# Altium PCB Spektrop2_Processor_Board_V1_draft_v4.PcbDoc (part 4 of 4)
Units mm, origin at the board's own origin, x right, y up, seen from the top; angles counter-clockwise.
Board outline 42 x 42 mm, 8 copper layers (TOP, L1-GND, L2, L3-1V8, L4-PWR, L5, L6-GND, BTM), stack 1.554 mm thick; 281 components, 241 nets, 1443 pads, 627 vias.
Unrouted connection lines stored in the file: 18.
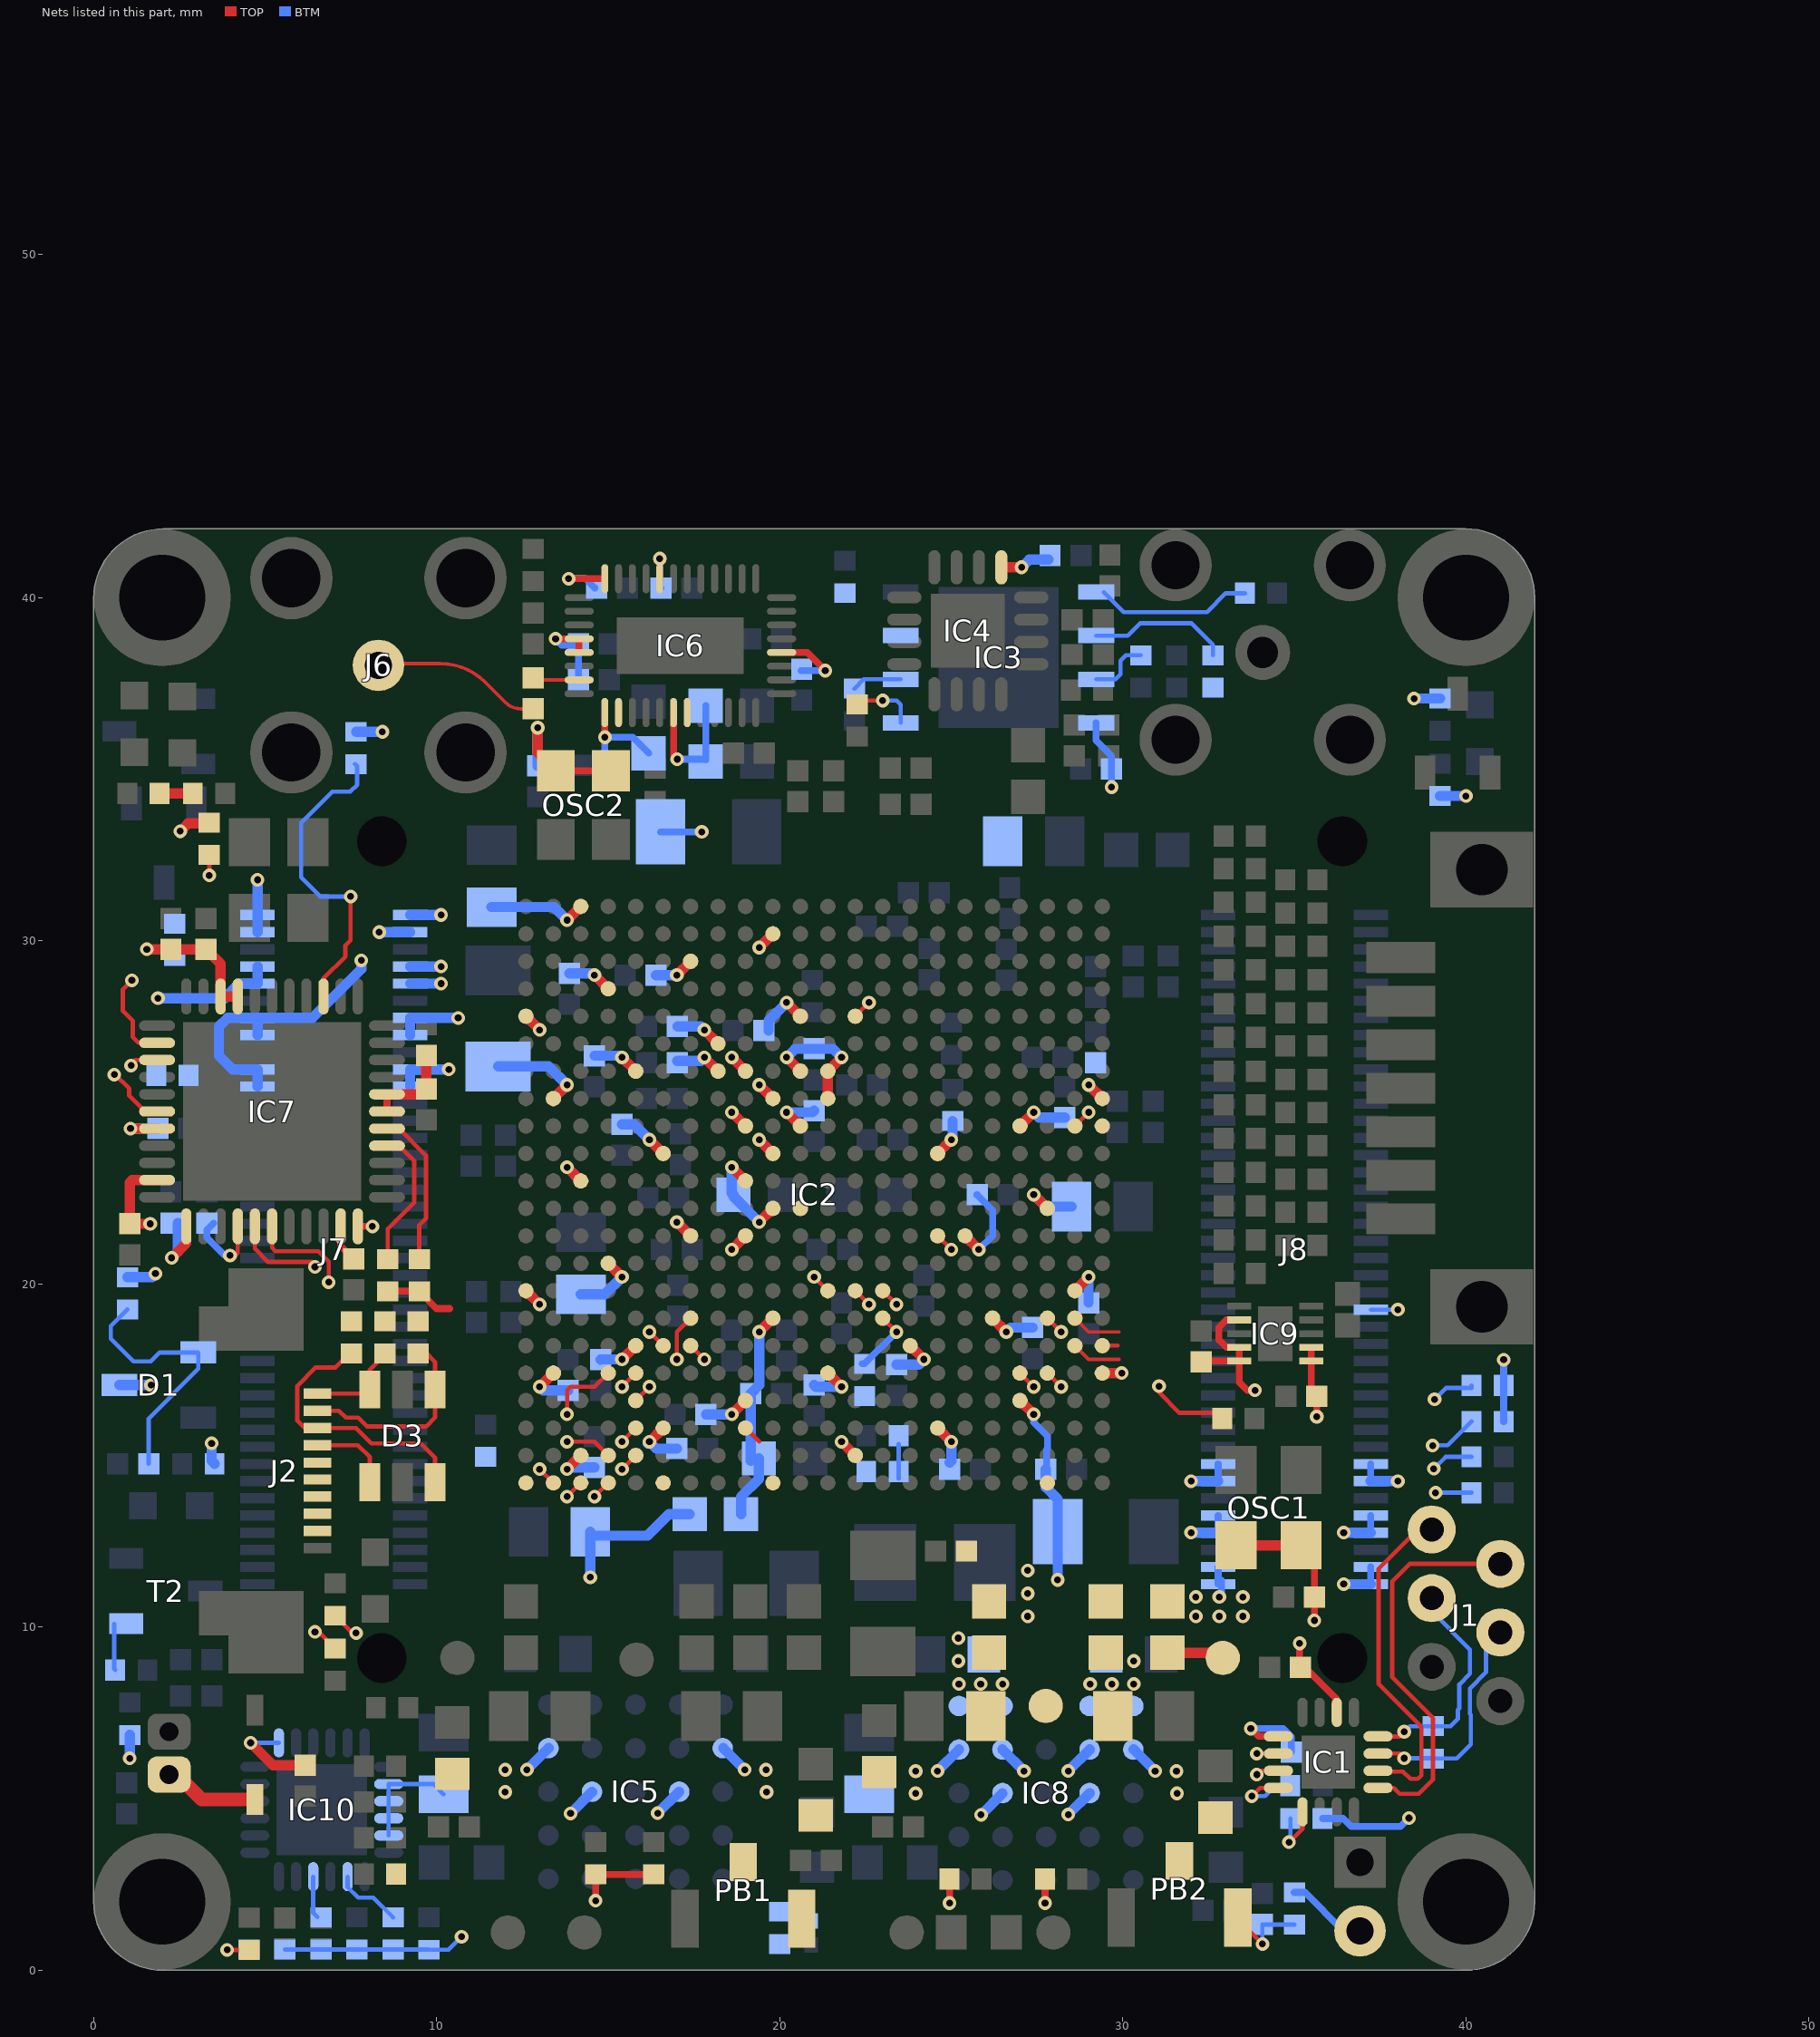
[diagram p10: the nets of this part, all layers, seen from the top]

## Via types
v1: diameter 0.4, hole 0.2, TOP to BTM, 627 vias

## Nets (pads, with @x,y where several pads share a name; then routed paths per layer and width w, separated by ;. In a path a pad name is that pad's centre, name@x,y a point inside that pad or via, vN(x,y) a via of type N, cw(c..) or ccw(c..) an arc to the next point about the centre after c; other vN are vias at no path point) (continued)
P1V8: C2.2 C26.1 C27.1 C28.1 C32.1 C40.1 C41.1 C42.1 C49.1 C50.1 C51.1 C52.1 C53.1 C54.1 C59.1 C60.1 C61.1 C62.1 C63.1 C64.1 C65.1 C66.1 C67.1 C68.1 C69.1 C70.1 C71.1 C74.1 C77.1 C83.1 C113.2 C115.2 C116.2 C117.2 C118.2 C119.2 C123.1 C125.2 C126.2 C127.2 C128.2 C129.2 D1.3 IC1.1 IC2.A3 IC2.A13 IC2.B10 IC2.B20 IC2.C7 IC2.C17 IC2.D4 IC2.D14 IC2.E1 IC2.E11 IC2.E21 IC2.F8 IC2.F18 IC2.G5 IC2.H2 IC2.H22 IC2.J19 IC2.K6 IC2.K14 IC2.K16 IC2.L3 IC2.L13 IC2.M14 IC2.M20 IC2.N7 IC2.N13 IC2.N17 IC2.P4 IC2.P12 IC2.P14 IC2.R1 IC2.R11 IC2.R13 IC2.R21 IC2.T11 IC2.T12 IC2.T14 IC2.T15 IC2.V22 IC3.8 IC4.13 IC6.4 IC6.16 IC6.20 IC6.29 IC6.35 IC7.21 IC7.26 IC7.32 IC7.39 IC7.40 IC9.1 IC9.2 J2.9 J3.2 L1.2 L4.1 L13.2 OSC1.1 OSC1.4 OSC2.1 OSC2.4 R1.2 R8.1 R11.2 R12.2 R23.2 R24.2 R25.1 R26.1 R46.1 R77.1 R79.2 R80.2 R81.1 R82.1 R83.1 R84.1 | length 101.8
  TOP w0.125: v1(3.975,20.826) 4.126,20.826 4.2,20.9 IC7.26@4.2,21.675 ; v1(6.45,9.86) 6.49,9.86 6.52,9.89 R46.1@7.04,9.37
  TOP w0.2: IC7.32@7.2,21.675 7.2,21.105 C117.2@7.58,20.725 ; IC7.39@8.55,25.025 IC7.40@8.55,25.525 ; R79.2@8.571,19.785 R83.1@9.491,19.785 9.497,19.785 10.003,19.279 10.374,19.279 ; OSC2.1@13.475,34.95 OSC2.4@15.075,34.95 OSC2.4@14.9,35.125 ; v1(13.844,40.55) IC6.20@14.9,40.55 ; v1(14.9,35.929) IC6.29@14.9,36.65 ; IC6.16@16.5,40.55 v1(16.5,41.135) ; IC6.4@20.05,38.4 20.797,38.4 v1(21.324,37.872) ; v1(33.726,7.043) 33.957,6.813 IC1.1@34.533,6.813 ; IC9.2@35.488,18.15 IC9.1@35.488,17.75 35.488,16.889 C123.1@35.647,16.729 v1(35.647,16.129) ; v1(35.58,10.192) C74.1@35.58,10.876 OSC1.1@35.58,11.992
  TOP w0.3: v1(1.65,21.75) C119.2@1.05,21.75 1.05,22.95 1.125,23.025 IC7.21@1.85,23.025 IC7.21@1.9,23.025 ; v1(2.525,33.191) 2.75,33.416 3.371,33.416 R84.1@3.371,33.445 ; IC7.40@8.55,25.525 C116.2@9.52,25.525 ; C116.2@9.542,25.546 C116.2@9.52,25.525 ; C115.2@9.697,26.528 9.697,25.546 9.675,25.525 C116.2@9.52,25.525 ; IC2.H22@12.599,19.8 v1(12.999,19.4) ; IC2.V22@12.599,27.8 v1(12.999,27.4) ; v1(12.944,36.206) 12.944,35.481 OSC2.1@13.475,34.95 ; v1(12.999,17) IC2.E21@13.399,17.4 ; IC2.R21@13.399,25.4 v1(13.799,25.8) ; v1(13.799,14.6) IC2.B20@14.199,15 ; v1(13.799,23.4) IC2.M20@14.199,23 ; IC2.J19@14.999,20.6 v1(15.399,20.2) ; v1(15.399,17.8) IC2.F18@15.799,18.2 ; v1(16.199,15.4) IC2.C17@16.599,15.8 ; v1(16.199,24.2) IC2.N17@16.599,23.8 ; v1(16.999,21.8) IC2.K16@17.399,21.4 ; v1(17.799,26.6) IC2.T15@18.199,26.2 ; v1(18.599,16.2) IC2.D14@18.999,16.6 ; v1(18.599,21) IC2.K14@18.999,21.4 ; v1(18.599,23.4) IC2.M14@18.999,23 ; v1(18.599,25) IC2.P14@18.999,24.6 ; v1(18.599,26.6) IC2.T14@18.999,26.2 ; v1(19.399,21.8) IC2.L13@19.799,22.2 ; v1(19.399,24.2) IC2.N13@19.799,23.8 ; v1(19.399,25.8) IC2.R13@19.799,25.4 ; v1(20.199,25) IC2.P12@20.599,24.6 ; v1(20.199,26.6) IC2.T12@20.599,26.2 ; IC2.E11@21.399,17.4 v1(21.799,17) ; IC2.R11@21.399,25.4 IC2.T11@21.399,26.2 v1(21.799,26.6) ; v1(21.799,15.4) IC2.B10@22.199,15 ; IC2.F8@23.799,18.2 v1(24.199,17.8) ; IC2.C7@24.599,15.8 v1(24.999,15.4) ; IC2.N7@24.599,23.8 v1(24.999,24.2) ; IC2.K6@25.399,21.4 v1(25.799,21) ; IC2.G5@26.199,19 v1(26.599,18.6) ; IC4.13@26.454,40.881 27.046,40.881 v1(27.047,40.883) ; IC2.D4@26.999,16.6 v1(27.399,16.2) ; IC2.P4@26.999,24.6 v1(27.399,25) ; v1(27.399,22.6) IC2.L3@27.799,22.2 ; IC2.H2@28.599,19.8 v1(28.999,20.2) ; v1(28.999,25.8) IC2.R1@29.399,25.4 ; IC2.E1@29.399,17.4 v1(29.965,17.4) ; OSC1.4@33.293,12.378 OSC1.1@35.193,12.378
  BTM w0.2: C118.2@3.5,21.775 3.3,21.575 3.3,21.35 v1@3.799,20.851 ; v1(13.844,40.55) 14.337,40.55 C125.2@14.606,40.281 ; C128.2@14.909,35.16 14.9,35.169 v1(14.9,35.929) 15.71,35.929 C127.2@16.175,35.464 ; v1@16.442,41.193 v1(16.5,41.135) 16.5,40.316 C126.2@16.539,40.277 ; C52.1@16.523,33.174 v1(17.726,33.174) ; C129.2@20.614,37.872 v1(21.324,37.872) ; C40.1@25.749,22.6 25.749,22.59 26.199,22.14 26.199,21.4 v1(25.799,21) ; v1(27.399,16.2) 27.399,15.965 27.799,15.565 27.799,15.189 27.782,15.172 27.782,14.631 C60.1@27.752,14.602 ; IC3.8@29.22,36.349 29.22,35.835 29.67,35.384 C77.1@29.67,35.002 v1(29.67,34.477) ; v1(33.726,7.043) 34.668,7.043 34.905,6.806 C2.2@34.905,6.356 ; R23.2@34.996,2.267 35.303,2.267 J3.2@36.419,1.151 ; R1.2@35.82,4.42 36.42,4.42 36.655,4.185 38.088,4.185 v1(38.336,4.433) ; R26.1@41.097,15.988 R25.1@41.097,17.035 v1(41.097,17.79)
  BTM w0.3: D1.3@0.75,17.05 v1(1.674,17.05) ; R24.2@0.983,20.197 0.983,20.2 1.7,20.2 v1(1.8,20.3) ; v1@2.525,33.135 v1(2.525,33.191) ; R80.2@7.651,36.088 v1(8.417,36.088) ; C66.1@11.789,26.335 13.263,26.335 v1(13.799,25.8) ; C113.2@12.944,35.092 v1(12.944,36.206) ; v1(12.999,17) v1@13.012,16.987 ; v1@13.024,16.975 v1@13.024,17 ; v1@13.099,16.9 C63.1@13.824,16.9 ; v1(13.799,14.6) 13.849,14.65 C65.1@14.599,14.65 ; C32.1@14.199,19.7 14.899,19.7 v1(15.399,20.2) ; v1(14.475,11.45) C26.1@14.475,12.663 ; C26.1@14.475,12.775 C26.1@14.475,12.663 ; C70.1@14.779,17.792 14.786,17.8 v1(15.399,17.8) ; C64.1@15.399,24.65 15.749,24.65 v1(16.199,24.2) ; v1@16.149,15.35 v1(16.199,15.4) 16.399,15.2 C71.1@16.999,15.2 ; C68.1@17.014,26.5 17.699,26.5 v1(17.799,26.6) ; L4.1@17.37,13.291 16.767,13.291 16.139,12.663 C26.1@14.475,12.663 ; C53.1@17.849,16.2 v1(18.599,16.2) ; v1(18.599,23.4) 18.599,22.65 L1.2@18.649,22.6 18.649,22.55 v1(19.399,21.8) ; v1(20.199,25) 20.949,25 C51.1@20.999,25.05 ; v1(20.199,26.6) 20.449,26.85 21.549,26.85 v1(21.799,26.6) ; C54.1@20.999,17.05 21.049,17 v1(21.799,17) ; C50.1@23.399,17.65 24.049,17.65 v1(24.199,17.8) ; C61.1@24.949,14.8 24.999,14.85 v1(24.999,15.4) ; v1@24.989,24.171 25.036,24.217 R8.1@25.036,24.75 ; v1(26.599,18.6) 26.726,18.726 C41.1@27.364,18.726 ; v1(27.047,40.883) 27.269,41.104 C83.1@27.825,41.104 ; v1(27.399,22.6) 27.749,22.25 C62.1@28.5,22.25 ; v1(27.399,25) 27.549,24.85 C42.1@28.3,24.85 ; C60.1@27.752,14.602 27.752,14.073 28.098,13.727 C69.1@28.098,12.784 v1(28.098,11.373) ; C27.1@28.999,19.45 v1(28.999,20.2) ; v1(38.485,37.057) R12.2@39.242,37.057
  other v1: 27.225,10.31 27.225,10.978 27.225,11.646
P1V8_EN: IC8.B2 IC10.14 R44.1 | length 2.9
  BTM w0.125: IC10.14@7.4,2.725 7.4,2.425 7.713,2.112 8.153,2.112 R44.1@8.725,1.54
  BTM w0.3: IC8.B2@26.49,6.43 v1(27.115,5.805)
P1V8_L: B7.1 C100.2 C101.2 IC8.A1 IC8.B1 L13.1
  other v1: 25.22,8.34 25.855,8.34 26.49,8.34 25.205,9.008 25.205,9.676
P3V3: C1.2 C120.2 C121.2 C122.2 C132.2 C133.2 C134.2 C135.2 IC1.14 IC6.24 IC6.25 IC7.8 IC7.9 IC7.18 IC7.23 IC9.7 IC9.9 IC9.10 J8.65 J8.66 J8.67 J8.68 J8.71 J8.72 J8.73 J8.74 J8.77 J8.78 J8.79 J8.80 L11.2 L12.2 R10.2 R22.2 R34.1 R35.1 R38.1 R39.1 R45.1 R58.2 R62.2 | length 31.6
  TOP w0.2: v1(13.464,38.8) IC6.24@14.15,38.8 14.15,38.5 ; v1(14.63,2.025) R35.1@14.63,2.79 R34.1@16.319,2.79 ; v1(24.945,1.955) R39.1@24.945,2.66 ; v1(27.73,1.955) R38.1@27.73,2.66 ; C122.2@32.275,17.725 32.3,17.75 IC9.10@33.388,17.75 ; IC9.7@33.388,18.95 33.019,18.95 32.795,18.725 32.795,18.358 32.811,18.358 33.019,18.15 IC9.9@33.388,18.15 IC9.10@33.388,17.75 ; v1(33.85,16.9) 33.625,16.9 33.388,17.137 IC9.10@33.388,17.75 ; v1(35.151,9.525) 35.151,8.981 36.233,7.898 IC1.14@36.233,7.513
  TOP w0.3: v1(1.075,24.525) IC7.18@1.85,24.525 ; v1(1.55,29.75) C120.2@2.25,29.75 C121.2@3.275,29.75 3.7,29.325 IC7.9@3.7,28.375 IC7.8@4.2,28.375 ; R62.2@1.925,34.295 R58.2@2.89,34.295 ; v1(2.275,20.758) 2.7,21.183 IC7.23@2.7,21.675
  BTM w0.2: v1(13.464,38.8) 13.647,38.617 C132.2@13.997,38.617 ; C132.2@13.997,38.649 C132.2@13.997,38.617 ; C133.2@14.134,37.61 C132.2@14.134,38.617 ; C132.2@14.134,38.649 14.102,38.617 C132.2@13.997,38.617 ; J8.80@32.775,11.25 J8.78@32.775,11.75 ; J8.74@32.775,12.75 J8.72@32.775,13.25 ; J8.68@32.775,14.25 J8.66@32.775,14.75 ; v1(32.81,10.875) 32.875,10.94 J8.80@32.875,11.353 ; J8.79@37.225,11.25 J8.77@37.225,11.75 ; J8.73@37.225,12.75 J8.71@37.225,13.25 ; J8.67@37.225,14.25 J8.65@37.225,14.75
  BTM w0.3: v1(1.05,6.175) R45.1@1.05,6.855 ; v1(1.075,24.525) C134.2@1.875,24.525 ; v1(2.275,20.758) 2.45,20.933 C135.2@2.45,21.775 ; v1(3.439,15.355) 3.439,14.845 R22.2@3.525,14.759 ; v1(31.985,12.75) J8.74@32.775,12.75 ; v1(31.985,14.25) J8.68@32.775,14.25 ; v1(36.435,11.25) J8.79@37.225,11.25 ; v1(36.435,12.75) J8.73@37.225,12.75 ; J8.67@37.225,14.25 v1(38.015,14.25) ; R10.2@39.242,34.217 v1(39.999,34.217)
  other v1: 32.125,10.31 32.81,10.31 33.495,10.31 32.125,10.875 33.495,10.875
P3V3_EN: IC8.D2 IC10.16 R42.1 | length 2.1
  BTM w0.125: IC10.16@6.4,2.725 6.4,1.67 R42.1@6.525,1.545
  BTM w0.3: v1(28.405,5.805) IC8.D2@29.03,6.43
P3V3_L: B5.1 C96.2 C97.2 IC8.D1 IC8.E1 L11.1 L12.1 | length 1.7
  TOP w0.3: L12.1@31.3,9.25 32.67,9.25 B5.1@32.91,9.01
  other v1: 29.045,8.34 29.68,8.34 30.315,8.34 30.315,9.008
P12V0: C84.2 C85.2 C86.2 C93.2 C94.2 C95.2 C102.2 D2.1 IC5.A2 IC5.B3 IC5.D3 IC5.E2 IC8.A2 IC8.B3 IC8.D3 IC8.E2 IC10.1 IC10.8 IC10.9 IC10.10 IC10.11 J5.1 R41.2 R42.2 R43.2 R44.2 R47.1 R55.1 R57.1 R60.2 | length 22.7
  TOP w0.125: v1(3.89,0.59) R57.1@4.535,0.59 ; R60.2@7.04,10.33 7.545,9.825 v1(7.65,9.825)
  TOP w0.3: v1(4.575,6.625) 5.225,5.975 C102.2@6.164,5.975
  TOP w0.4: J5.1@2.2,5.7 2.425,5.7 3.15,4.975 D2.1@4.7,4.975
  BTM w0.125: v1(3.89,0.59) v1@3.93,0.55 ; v1(4.575,6.625) IC10.1@5.4,6.625 ; R41.2@5.575,0.6 R42.2@6.625,0.6 R43.2@7.675,0.6 R44.2@8.725,0.6 9.77,0.6 R55.1@9.775,0.595 10.345,0.595 v1(10.725,0.975) ; v1(7.65,9.825) v1@7.7,9.776 ; IC10.11@8.6,3.925 IC10.8@8.6,5.425 9.9,5.425 C84.2@10.2,5.125
  BTM w0.3: v1(12.63,5.845) IC5.A2@13.255,6.47 ; v1(13.9,4.567) IC5.B3@14.525,5.192 ; v1(16.44,4.575) IC5.D3@17.065,5.2 ; IC5.E2@18.35,6.47 v1(18.975,5.845) ; v1(24.595,5.805) IC8.A2@25.22,6.43 ; v1(25.865,4.527) IC8.B3@26.49,5.152 ; v1(28.405,4.535) IC8.D3@29.03,5.16 ; IC8.E2@30.315,6.43 v1(30.94,5.805)
  other v1: 23.959,5.152 31.576,5.152 11.994,5.192 19.611,5.192 23.959,5.8 31.561,5.8 11.994,5.84 19.596,5.84
Power_Good: C75.1 D1.1 IC2.B18 R24.1 R56.2 R59.2 T2.1 | length 9.8
  TOP w0.125: v1(15.399,14.6) IC2.B18@15.799,15
  BTM w0.125: T2.1@0.6,10.096 0.6,8.78 R59.2@0.63,8.75 ; R24.1@0.983,19.257 0.5,18.774 0.5,18.4 1.162,17.738 1.666,17.738 1.928,18 D1.1@3.05,18 3.05,17.526 1.604,16.08 C75.1@1.604,14.759
PROGRAM_B: C3.2 IC2.V10 PB1.1 PB1.3 R11.1 | length 0.6
  TOP w0.125: IC2.V10@22.199,27.8 v1(22.599,28.2)
PS_CLK: IC2.F16 R14.1 | length 3
  TOP w0.125: IC2.F16@17.399,18.2 v1(17.799,17.8) ; v1(31.053,17.019) 31.053,16.836 31.649,16.241 32.898,16.241 R14.1@32.898,16.082
PS_MIO7_VMODE0: IC2.D18 R25.2 R29.1 | length 2.9
  TOP w0.125: IC2.D18@15.799,16.6 v1(16.199,17)
  BTM w0.125: v1(39.083,16.635) 39.414,16.966 40.157,16.966 R25.2@40.157,17.035 ; v1(39.114,13.915) R29.1@40.157,13.915
PS_MIO8_VMODE1: IC2.E18 R26.2 R28.1 | length 3.2
  TOP w0.125: v1(15.399,17) IC2.E18@15.799,17.4
  BTM w0.125: v1@38.92,15.191 v1@38.928,15.183 ; v1@39.02,15.295 39.463,15.295 R26.2@40.157,15.988 ; v1(39.059,14.613) 39.407,14.96 R28.1@40.157,14.96
  other v1: 39.028,15.287
PS_SRST_B: C76.1 IC2.C14 PB2.1 PB2.3 R23.1 | length 3.1
  TOP w0.125: IC2.C14@18.999,15.8 19.399,15.4 ; PB2.1@33.35,1.479 v1(34.066,0.763)
  BTM w0.125: v1(34.066,0.763) C76.1@34.066,1.335 34.075,1.327 R23.1@34.996,1.327
PUDC_B: IC2.K7 R77.2 R78.1 | length 1.6
  TOP w0.125: IC2.K7@24.599,21.4 v1(24.999,21)
  BTM w0.125: R77.2@23.461,14.317 R78.1@23.461,15.34
QSPI_CLK_BOOT_MODE4: IC2.A19 R20.1 R30.1 | length 0.6
  TOP w0.125: v1(14.599,13.8) IC2.A19@14.999,14.2
QSPI_CLK_BOOT_MODE4_R: IC3.6 R30.2 | length 4.1
  BTM w0.125: IC3.6@29.22,38.889 30.139,38.889 30.5,39.25 32,39.25 32.625,38.625 R30.2@32.625,38.317
QSPI_DQ0_BOOT_MODE3: IC2.A21 IC3.5 R16.1 | length 5.1
  TOP w0.125: v1(12.999,14.6) IC2.A21@13.399,14.2
  BTM w0.125: IC3.5@29.442,40.159 30.026,39.575 32.45,39.575 33,40.125 R16.1@33.555,40.125
QSPI_DQ1_BOOT_MODE1: IC2.F17 IC3.2 R17.1 | length 2
  TOP w0.125: v1(16.199,18.6) IC2.F17@16.599,18.2
  BTM w0.125: R17.1@22.17,37.345 22.445,37.619 IC3.2@23.52,37.619
QSPI_DQ2_BOOT_MODE2: IC2.E19 IC3.3 R18.1 | length 2.1
  TOP w0.125: v1@13.799,16.225 13.799,16.65 13.799,16.9 13.899,17 14.599,17 IC2.E19@14.999,17.4
  other v1: 13.799,16.2
QSPI_DQ3_BOOT_MODE0: IC2.A20 IC3.7 R21.1 | length 2.4
  TOP w0.125: v1(13.799,13.8) IC2.A20@14.199,14.2
  BTM w0.125: IC3.7@29.22,37.619 29.789,37.619 29.929,37.76 29.929,38.163 30.083,38.317 R21.1@30.518,38.317
QSPI_nCS: IC2.A22 IC3.1 R15.1 | length 1.9
  TOP w0.125: R15.1@22.256,36.888 22.368,37 v1(23,37)
  BTM w0.125: v1(23,37) 23.403,37 23.52,36.883 IC3.1@23.52,36.349
RS485_RX: IC1.2 IC2.E4 | length 1.2
  TOP w0.125: IC2.E4@26.999,17.4 v1(27.399,17) ; v1(33.9,6.313) IC1.2@34.533,6.313
RS485_RX_A: IC1.12 J1.3 R2.2 | length 6.1
  TOP w0.125: IC1.12@37.433,6.813 38.06,6.813 v1(38.197,6.95)
  BTM w0.125: 38.356,7.108 R2.2@39.038,7.108 39.551,7.108 39.763,7.319 39.763,7.587 39.806,7.63 39.806,8.328 40.116,8.638 40.116,9.343 J1.3@39,10.459
RS485_RX_B: IC1.11 J1.4 R2.1 | length 6
  TOP w0.125: IC1.11@37.433,6.313 38.06,6.313 v1(38.197,6.175)
  BTM w0.125: v1(38.197,6.175) R2.1@39.031,6.175 ; R2.1@39.038,6.168 39.732,6.168 40.142,6.578 40.142,7.444 40.112,7.473 40.112,8.208 40.582,8.678 40.582,8.923 ; J1.4@40.582,9.422 40.582,8.923 ; 40.59,8.931 40.582,8.923
RS485_TX: IC1.3 IC2.E3 | length 1.2
  TOP w0.125: IC2.E3@27.799,17.4 v1(28.199,17) ; v1(33.9,5.7) 34.012,5.813 IC1.3@34.533,5.813
  BTM w0.125: v1@33.898,5.698 v1(33.9,5.7)
RS485_TX_Y: IC1.9 J1.2 | length 11.5
  TOP w0.125: IC1.9@37.433,5.313 37.891,5.313 38.065,5.139 38.621,5.139 39.038,5.556 39.038,7.345 37.849,8.535 37.849,11.328 38.361,11.841 J1.2@41,11.841
RS485_TX_Z: IC1.10 J1.1 | length 9.6
  TOP w0.125: IC1.10@37.433,5.813 37.433,5.788 38.164,5.788 38.38,5.573 38.595,5.573 38.697,5.674 38.697,7.092 37.452,8.337 37.452,11.699 J1.1@38.594,12.841
SDO0: C111.2 J6.1 | length 5
  TOP w0.1: J6.1@8.3,38.025 cw(c8.424,37.901) 8.424,38.076 10.104,38.076 cw(c10.104,36.231) 11.409,37.536 11.994,36.951 ccw(c12.459,37.416) 12.459,36.758 C111.2@12.812,36.758
SDO0_C: C111.1 IC6.27 | length 1.3
  TOP w0.1: C111.1@12.875,37.6 IC6.27@14.15,37.6
SI5340_I2C_SEL: IC7.38 R83.2 | length 4.6
  TOP w0.125: IC7.38@8.55,24.525 8.902,24.525 9.685,23.742 9.685,21.906 9.491,21.712 R83.2@9.491,20.725
SI5340_IN_SEL0: IC7.3 R80.1 | length 9.2
  TOP w0.125: IC7.3@6.7,28.375 6.7,28.898 7.34,29.537 7.338,29.539 7.338,29.861 7.34,29.863 7.34,29.873 7.485,30.018 7.485,31.289 v1(7.49,31.289)
  BTM w0.125: v1(7.49,31.289) 6.607,31.289 6.049,31.847 6.049,33.438 6.953,34.342 7.479,34.342 7.681,34.544 7.681,35.084 R80.1@7.614,35.151
SI5340_IN_SEL1: IC7.37 R79.1 | length 4.2
  TOP w0.125: IC7.37@8.55,24.025 8.902,24.025 9.343,23.584 9.343,22.374 8.571,21.601 R79.1@8.571,20.725
SI5340_LOS_XAXBb: IC2.F2 IC7.28 | length 4.5
  TOP w0.1: IC2.F2@28.599,18.2 28.999,17.8 29.88,17.8
  TOP w0.125: IC7.28@5.2,21.675 5.2,21.05 5.3,20.95 6.543,20.95 6.85,20.643 v1(6.85,20.05)
SI5340_nINTR: IC2.G3 IC7.33 | length 1
  TOP w0.125: IC2.G3@27.799,19 v1(28.199,18.6)
  TOP w0.2: IC7.33@7.7,21.675 v1(8.127,21.675)
Si5340_nLOL: IC2.G2 IC7.27 | length 4.1
  TOP w0.1: IC2.G2@28.599,19 28.999,18.6 29.88,18.6
  TOP w0.125: IC7.27@4.7,21.675 4.7,21.025 5.087,20.638 6.358,20.638 6.475,20.52 v1(6.45,20.495)
SI5340_nRST: IC2.F1 IC7.17 R84.2 | length 2.9
  TOP w0.125: v1(0.6,26.1) 0.623,26.1 1.035,25.688 1.035,25.487 1.498,25.025 IC7.17@1.85,25.025 ; v1(3.371,31.905) R84.2@3.371,32.505 ; IC2.F1@29.399,18.2 29.849,18.2
SI5340_SCL: IC2.P1 IC7.14 R81.2 | length 0.9
  TOP w0.125: v1(1.089,26.363) 1.089,26.406 1.208,26.525 IC7.14@1.85,26.525
SI5340_SDA: IC2.P2 IC7.13 R82.2 | length 3.2
  TOP w0.125: v1(1.114,28.846) 0.85,28.583 0.85,27.956 1.137,27.668 1.137,27.198 1.31,27.025 IC7.13@1.85,27.025 ; IC2.P2@28.599,24.6 v1(28.999,25)
TCK: D3.1 J2.2 R6.1 | length 5.7
  TOP w0.125: J2.2@6.525,16.3 7.15,16.3 7.35,16.1 7.715,16.1 7.972,15.843 9.693,15.843 9.95,16.1 D3.1@9.95,16.92 9.95,17.725 R6.1@9.675,18
TCK_R: IC2.H11 R6.2 | length 0.6
  TOP w0.125: v1(20.999,20.2) IC2.H11@21.399,19.8
TDI: D3.6 J2.3 R4.1 | length 8.2
  TOP w0.125: R4.1@7.54,18.06 7.045,17.565 6.475,17.565 5.937,17.028 5.937,16.013 6.15,15.8 J2.3@6.525,15.8 7.65,15.8 8.097,15.353 9.531,15.353 9.95,14.934 D3.6@9.95,14.22
TDI_R: IC2.H9 R4.2 | length 0.6
  TOP w0.125: IC2.H9@22.999,19.8 v1(23.399,19.4)
TDO: D3.4 J2.4 R5.1 | length 2.4
  TOP w0.125: J2.4@6.525,15.3 7.7,15.3 8.05,14.95 D3.4@8.05,14.22
TDO_R: IC2.G9 R5.2 | length 2
  TOP w0.125: IC2.G9@22.999,19 v1(23.399,18.6)
  BTM w0.2: R5.2@22.399,17.67 22.469,17.67 v1(23.399,18.6)
TMS: D3.3 J2.1 R7.1 | length 2.9
  TOP w0.125: J2.1@6.525,16.8 7.93,16.8 D3.3@8.05,16.92 8.05,17.506 8.344,17.8 8.508,17.8 R7.1@8.608,17.9
TMS_R: IC2.H10 R7.2 | length 0.6
  TOP w0.125: IC2.H10@22.199,19.8 v1(22.599,19.4)
UART0_RX: IC2.G16 J2.5 | length 1.4
  TOP w0.125: v1(16.999,17.8) 16.999,18.6 IC2.G16@17.399,19
UART0_TX: IC2.B19 J2.6 | length 1.4
  TOP w0.125: v1(13.799,15.4) 14.599,15.4 IC2.B19@14.999,15
UART1_RX: IC2.A17 J2.8
UART1_TX: IC2.C18 J2.7 | length 0.6
  TOP w0.125: v1(15.399,15.4) IC2.C18@15.799,15.8
UART_FPGA_nRE: IC1.4 R3.2 | length 2.1
  TOP w0.125: v1(33.757,5.07) 33.999,5.313 IC1.4@34.533,5.313
  BTM w0.125: v1(33.757,5.07) 34.146,5.07 34.449,5.372 R3.2@34.881,5.372
UART_FPGA_TX: IC1.5 R1.1 | length 1.8
  TOP w0.125: v1(34.838,3.728) 35.233,4.124 IC1.5@35.233,4.613
  BTM w0.125: v1(34.838,3.728) 34.88,3.77 R1.1@34.88,4.42
VCCO_13: C29.1 C30.1 C31.1 C43.1 C44.1 C45.1 IC2.AA13 IC2.AB20 IC2.T18 IC2.U15 IC2.V12 IC2.W19 IC2.Y16 J7.1 J7.2 J7.3 J7.4 J7.7 J7.8 J7.9 J7.10 J7.13 J7.14 J7.15 J7.16 J7.19 J7.20 J7.21 J7.22 | length 30.8
  TOP w0.3: v1(13.799,30.6) IC2.AB20@14.199,31 ; v1(14.599,29) IC2.W19@14.999,28.6 ; v1(15.399,26.6) IC2.T18@15.799,26.2 ; v1(16.999,29) IC2.Y16@17.399,29.4 ; v1(17.799,27.4) IC2.U15@18.199,27 ; v1(19.399,29.8) IC2.AA13@19.799,30.2 ; v1(20.199,28.2) IC2.V12@20.599,27.8
  BTM w0.125: v1@16.99,28.991 v1(16.999,29)
  BTM w0.3: v1(1.875,28.325) 3.811,28.325 4.236,28.75 J7.10@4.775,28.75 J7.8@4.775,29.25 ; J7.22@4.775,25.75 J7.20@4.775,26.25 4.05,26.25 3.65,26.65 3.65,27.5 3.9,27.75 J7.14@4.775,27.75 ; J7.16@4.775,27.25 J7.14@4.775,27.75 ; J7.4@4.775,30.25 J7.2@4.775,30.75 v1(4.775,31.775) ; v1(7.8,29.425) 7.8,29.175 6.375,27.75 J7.14@4.775,27.75 ; v1(8.325,30.25) J7.3@9.225,30.25 ; J7.21@9.225,25.75 J7.19@9.225,26.25 v1(10.35,26.25) ; J7.15@9.225,27.25 J7.13@9.225,27.75 v1(10.625,27.75) ; J7.9@9.225,28.75 v1(10.125,28.75) ; J7.7@9.225,29.25 v1(10.125,29.25) ; J7.1@9.225,30.75 v1(10.125,30.75) ; C29.1@11.598,30.982 13.417,30.982 v1(13.799,30.6) ; C43.1@13.869,29.05 14.549,29.05 v1(14.599,29) ; C45.1@14.599,26.65 15.349,26.65 v1(15.399,26.6) ; C31.1@16.386,28.991 v1@16.99,28.991 ; C30.1@17.024,27.5 17.699,27.5 v1(17.799,27.4) ; C44.1@19.674,27.385 19.674,27.674 v1(20.199,28.2)
VCCPLL: C72.1 C73.1 IC2.G13 L4.2 | length 6.3
  TOP w0.3: v1(19.399,18.6) IC2.G13@19.799,19
  BTM w0.3: L4.2@18.87,13.291 18.87,13.795 19.389,14.314 C73.1@19.389,14.912 ; C73.1@19.149,14.85 C72.1@19.149,16.8 19.399,17.05 v1(19.399,18.6)
VCO_FILT: C130.2 C131.2 IC6.30 IC6.34 | length 3.8
  TOP w0.2: IC6.34@16.9,36.65 16.9,35.402 17.007,35.295 v1(17.007,35.288)
  BTM w0.2: v1(17.007,35.288) 17.817,35.288 17.837,35.268 C130.2@17.837,36.851
ZYNQ_ADC: IC2.L12 J8.47 | length 0.8
  BTM w0.125: J8.47@37.225,19.25 v1@38.053,19.25
  other v1: 38.015,19.25
pads on no net: D1.2 IC1.7 IC1.13 IC1.16 IC1.17 IC2.A9 IC2.A10 IC2.A11 IC2.A12 IC2.A14 IC2.A15 IC2.A16 IC2.AA11 IC2.AA12 IC2.AA14 IC2.AA15 IC2.AA16 IC2.AA17 IC2.AA19 IC2.AA20 IC2.AA21 IC2.AA22 IC2.AB11 IC2.AB12 IC2.AB13 IC2.AB14 IC2.AB16 IC2.AB17 IC2.AB18 IC2.AB19 IC2.AB21 IC2.AB22 IC2.B9 IC2.B11 IC2.B12 IC2.B13 IC2.B14 IC2.B16 IC2.B17 IC2.B21 IC2.B22 IC2.C9 IC2.C10 IC2.C11 IC2.C13 IC2.C15 IC2.C16 IC2.C19 IC2.C20 IC2.C21 IC2.D10 IC2.D11 IC2.D12 IC2.D13 IC2.D15 IC2.D16 IC2.D17 IC2.D20 IC2.D21 IC2.D22 IC2.E9 IC2.E10 IC2.E12 IC2.E13 IC2.E14 IC2.E15 IC2.E17 IC2.E20 IC2.E22 IC2.F4 IC2.F9 IC2.F10 IC2.F11 IC2.F12 IC2.F14 IC2.F15 IC2.F19 IC2.F20 IC2.F21 IC2.F22 IC2.G1 IC2.G4 IC2.G11 IC2.G17 IC2.G18 IC2.G19 IC2.G21 IC2.G22 IC2.H1 IC2.H5 IC2.H6 IC2.H16 IC2.H18 IC2.H19 IC2.H20 IC2.H21 IC2.J16 IC2.J17 IC2.J18 IC2.J20 IC2.J21 IC2.J22 IC2.K17 IC2.K18 IC2.K19 IC2.K20 IC2.K22 IC2.L16 IC2.L17 IC2.L19 IC2.L20 IC2.L21 IC2.L22 IC2.M16 IC2.M17 IC2.M18 IC2.M19 IC2.M21 IC2.M22 IC2.N5 IC2.N6 IC2.N16 IC2.N18 IC2.N19 IC2.N20 IC2.N21 IC2.P3 IC2.P16 IC2.P17 IC2.P18 IC2.P20 IC2.P21 IC2.P22 IC2.R2 IC2.R3 IC2.R8 IC2.R17 IC2.R18 IC2.R19 IC2.R20 IC2.R22 IC2.T17 IC2.T19 IC2.T20 IC2.T21 IC2.T22 IC2.U13 IC2.U14 IC2.U16 IC2.U17 IC2.U18 IC2.U19 IC2.U21 IC2.U22 IC2.V16 IC2.V18 IC2.V19 IC2.V20 IC2.V21 IC2.W16 IC2.W17 IC2.W18 IC2.W20 IC2.W21 IC2.W22 IC2.Y12 IC2.Y13 IC2.Y14 IC2.Y15 IC2.Y17 IC2.Y18 IC2.Y19 IC2.Y20 IC2.Y22 IC3.9 IC4.5 IC4.6 IC4.7 IC4.8 IC4.15 IC4.16 IC5.A5 IC5.C3 IC5.C4 IC5.E5 IC6.2 IC6.3 IC6.9 IC6.22 IC6.23 IC7.1 IC7.2 IC7.10 IC7.11 IC7.12 IC7.22 IC7.29 IC7.30 IC7.31 IC7.34 IC7.35 IC7.36 IC7.41 IC7.42 IC7.43 IC7.44 IC8.A5 IC8.C3 IC8.E5 IC9.6 J2.MECH J7.81 J7.82 J8.81 J8.82
copper on no net: | length 0.4
  TOP w0.125: 29.399,19 29.849,19

## Polygon pours and split planes (outlines as drawn)
P1V0 on BTM "BTM_P1V0" (solid, remove dead copper, pour order 80): 19.7,10.25 23.775,10.25 23.775,13.371 19.7,13.371
GND on BTM "BTM_GND" (solid, remove dead copper, pour order 52): 26.886,9.96 28.681,9.96 28.681,9.775 28.681,5.66 26.886,5.66
P12V0 on BTM "BTM_P12V" (solid, remove dead copper, pour order 48): 22.9,5.794 23.6,6.494 23.6,6.769 23.602,6.77 24.585,6.776 25.855,6.776 27.76,4.871 29.665,6.776 30.935,6.776 32.205,6.769 32.211,4.535 30.896,3.22 24.624,3.22 23.686,4.158 21.84,4.158 21.84,5.794
P1V2 on BTM "BTM_P1V2" (solid, pour order 6): 13,7.1 14.79,7.1 14.79,10 13,10
P1V0_L on BTM "BTM_P1V2" (solid, pour order 14): 18.595,7.1 16.815,7.1 16.815,10 18.595,10
GND on BTM "BTM_GND" (solid, remove dead copper, pour order 20): 14.921,10 16.716,10 16.716,9.815 16.716,5.7 14.921,5.7
GND on BTM "BTM_GND" (solid, remove dead copper, pour order 36): 12.784,7.106 9.445,7.093 9.445,10 12.784,10
GND on BTM "BTM_GND" (solid, remove dead copper, pour order 46): 33.51,6.762 33.51,5.355 32.205,5.355 32.205,6.765 30.985,6.769 30.985,9.96 33.51,9.96
P3V3_L on BTM "BTM_P1V2" (solid, pour order 54): 30.95,7.06 28.78,7.06 28.78,9.96 30.95,9.96
P1V8_L on BTM "BTM_P1V2" (solid, pour order 58): 24.585,7.06 26.755,7.06 26.755,9.96 24.585,9.96
P12V0 on BTM "BTM_P12V" (solid, remove dead copper, pour order 22): 11.348,5.834 9.464,5.834 9.464,4.198 11.721,4.198 12.659,3.26 18.931,3.26 20.246,4.575 20.24,6.809 18.97,6.816 17.7,6.816 15.795,4.911 13.89,6.816 12.62,6.816 11.35,6.809
GND on BTM "BTM_GND" (solid, remove dead copper, pour order 38): 21.545,6.802 21.545,5.395 20.24,5.395 20.24,6.805 18.695,6.811 18.695,10 21.545,10
GND on BTM "BTM_GND" (solid, remove dead copper, pour order 50): 24.585,7.144 21.545,7.144 21.545,9.96 24.585,9.96
GND on TOP "TOP_GND" (solid, remove dead copper, pour order 86): 3.872,41.873 12.477,41.873 12.477,34.096 3.872,34.096
GND on TOP "TOP_GND" (solid, remove dead copper, pour order 84): 30.05,41.748 37.744,41.748 37.744,34.683 30.05,34.683
MGTAVTT on TOP "TOP_P1V2" (solid, remove dead copper, pour order 12): 13.24,10.016 10.54,10.016 10.54,12 13.24,12
P1V0 on TOP "BTM_P1V0" (solid, remove dead copper, pour order 28): 18.485,10.3 23.55,10.3 23.55,12.8 18.499,12.8
P3V3 on TOP "TOP_P3V3" (solid, remove dead copper, pour order 68): 34.05,9.976 28.411,9.976 28.411,11.738 34.05,11.738
P12V0 on TOP "TOP_P12V0" (solid, remove dead copper, pour order 42): 9.637,6.275 12.796,6.275 12.796,4.89 12.606,4.7 9.647,4.7
GND on TOP "TOP_GND" (solid, remove dead copper, pour order 40): 13,8.272 13,6.654 9.639,6.654 9.639,8.272
P1V8 on TOP "TOP_P1V2" (solid, remove dead copper, pour order 74): 24.989,9.976 27.697,9.976 27.697,11.956 24.989,11.956
P1V2 on TOP "TOP_P1V2" (solid, remove dead copper, pour order 8): 13,8.35 11.8,8.35 11.8,9.941 14.75,9.941 14.75,5.885 14.75,5.85 14.685,5.85 13,5.85
MGTAVCC on TOP "TOP_P1V2" (solid, remove dead copper, pour order 26): 18.315,10.016 14.925,10.016 14.925,12 18.315,12
P1V0_L on TOP "TOP_P1V2" (solid, remove dead copper, pour order 24): 18.6,8.416 21.59,8.416 21.59,9.805 16.81,9.805 16.81,5.85 18.6,5.85
GND on TOP "TOP_GND" (solid, remove dead copper, pour order 30): 22.2,8.288 19.013,8.288 18.975,8.251 18.975,6.665 20.098,6.665 20.24,6.523 20.24,5.26 22.2,5.26
P12V0 on TOP "TOP_P12V0" (solid, remove dead copper, pour order 44): 18.629,6.804 18.629,5.431 20.3,3.76 21.6,3.76 21.6,5.26 20.24,5.26 20.24,6.263 19.699,6.804
GND on TOP "TOP_GND" (solid, remove dead copper, pour order 66): 24.965,8.232 24.965,6.614 21.604,6.614 21.604,8.232
P12V0 on TOP "TOP_P12V0" (solid, remove dead copper, pour order 78): 30,4.66 29.1,3.76 25.878,3.76 24.978,4.66 22.498,4.66 22.498,6.2 24.825,6.2 24.825,5.4 30.553,5.4 30.553,6.159 30.594,6.2 30.594,6.764 31.664,6.764 32.205,6.223 32.205,5.22 33.565,5.22 33.565,3.72 32.265,3.72 31.325,4.66
GND on TOP "TOP_GND" (solid, remove dead copper, pour order 60): 33.25,8.248 30.978,8.248 30.94,8.211 30.94,6.625 32.063,6.625 32.205,6.483 32.205,5.22 33.25,5.22
P3V3_L on TOP "TOP_P1V2" (solid, remove dead copper, pour order 72): 30.565,8.376 32.05,8.376 32.05,9.765 28.775,9.765 28.775,5.81 30.565,5.81
P1V8_L on TOP "TOP_P1V2" (solid, remove dead copper, pour order 76): 24.965,8.31 24.965,9.901 26.715,9.901 26.715,5.845 26.715,5.81 26.65,5.81 24.965,5.81
P1V8 on L3-1V8 "L3_P1V8" (solid, remove dead copper, pour order 2): -0.225,41.696 -0.02,41.491 41.96,41.491 41.96,0.21 41.546,-0.204 0.275,-0.204
GND on L1-GND (split plane): 2.025,41.49 40,41.49 40.015,41.491 40.167,41.482 40.332,41.454 40.493,41.408 40.647,41.344 40.794,41.263 40.93,41.166 41.055,41.055 41.166,40.93 41.263,40.794 41.344,40.647 41.408,40.493 41.454,40.332 41.482,40.167 41.491,40.015 41.49,40 41.49,2 41.491,1.985 41.482,1.833 41.454,1.668 41.408,1.507 41.344,1.353 41.263,1.206 41.166,1.07 41.055,0.945 40.93,0.834 40.794,0.737 40.647,0.656 40.493,0.592 40.332,0.546 40.167,0.518 40.015,0.509 40,0.51 2,0.51 1.985,0.509 1.833,0.518 1.668,0.546 1.507,0.592 1.353,0.656 1.206,0.737 1.07,0.834 0.945,0.945 0.834,1.07 0.737,1.206 0.656,1.353 0.592,1.507 0.546,1.668 0.518,1.833 0.509,1.985 0.51,2 0.51,39.975 0.509,39.99 0.518,40.145 0.546,40.313 0.593,40.476 0.658,40.633 0.741,40.782 0.839,40.921 0.952,41.048 1.079,41.161 1.218,41.259 1.367,41.342 1.524,41.407 1.687,41.454 1.855,41.482 2.01,41.491
GND on L6-GND (split plane): 2.025,41.49 40,41.49 40.015,41.491 40.167,41.482 40.332,41.454 40.493,41.408 40.647,41.344 40.794,41.263 40.93,41.166 41.055,41.055 41.166,40.93 41.263,40.794 41.344,40.647 41.408,40.493 41.454,40.332 41.482,40.167 41.491,40.015 41.49,40 41.49,2 41.491,1.985 41.482,1.833 41.454,1.668 41.408,1.507 41.344,1.353 41.263,1.206 41.166,1.07 41.055,0.945 40.93,0.834 40.794,0.737 40.647,0.656 40.493,0.592 40.332,0.546 40.167,0.518 40.015,0.509 40,0.51 2,0.51 1.985,0.509 1.833,0.518 1.668,0.546 1.507,0.592 1.353,0.656 1.206,0.737 1.07,0.834 0.945,0.945 0.834,1.07 0.737,1.206 0.656,1.353 0.592,1.507 0.546,1.668 0.518,1.833 0.509,1.985 0.51,2 0.51,39.975 0.509,39.99 0.518,40.145 0.546,40.313 0.593,40.476 0.658,40.633 0.741,40.782 0.839,40.921 0.952,41.048 1.079,41.161 1.218,41.259 1.367,41.342 1.524,41.407 1.687,41.454 1.855,41.482 2.01,41.491
MGTAVCC on L4-PWR (split plane): 29.988,24.958 29.359,24.329 24.051,24.329 24.051,27.761 24.041,27.811 24.013,27.853 23.971,27.881 23.922,27.891 23.872,27.881 23.857,27.871 23.842,27.881 23.792,27.891 17.53,27.891 17.52,27.889 17.51,27.891 17.46,27.881 17.418,27.853 17.39,27.811 17.381,27.761 17.381,14.8 17.381,9.964 14.173,9.964 14.173,12.111 14.173,28.798 14.891,29.516 29.988,29.516
P1V0 on L4-PWR (split plane): 23.792,24.2 23.792,23.294 23.792,17.228 23.792,10.775 22.981,9.964 17.639,9.964 17.639,14.8 17.639,27.632 23.792,27.632
P1V2 on L4-PWR (split plane): 33.572,30.845 33.572,17.136 31.122,14.686 31.094,14.644 31.084,14.594 31.084,12.949 26.316,8.181 12.584,8.181 12.584,9.706 23.035,9.706 23.085,9.715 23.127,9.743 24.013,10.63 24.041,10.672 24.051,10.722 24.051,17.228 24.051,24.07 29.412,24.07 29.462,24.08 29.504,24.108 30.209,24.813 30.237,24.855 30.247,24.904 30.247,31.518 30.237,31.567 30.209,31.609 29.526,32.292 29.484,32.32 29.434,32.33 24.883,32.33 24.883,34.353 25.222,34.692 29.725,34.692
P12V0 on L4-PWR (split plane): 31.871,0.51 2,0.51 1.985,0.509 1.833,0.518 1.668,0.546 1.507,0.592 1.353,0.656 1.206,0.737 1.07,0.834 0.945,0.945 0.834,1.07 0.737,1.206 0.656,1.353 0.592,1.507 0.546,1.668 0.518,1.833 0.509,1.985 0.51,2 0.51,6.028 31.871,6.028
MGTAVTT on L4-PWR (split plane): 29.988,31.464 29.988,29.775 14.838,29.775 14.788,29.765 14.746,29.737 13.952,28.943 13.924,28.901 13.914,28.852 13.914,12.111 13.914,9.964 10.679,9.964 10.679,21.196 11.292,21.808 11.32,21.85 11.329,21.9 11.329,31.221 12.179,32.071 29.38,32.071
P3V3 on L4-PWR (split plane): 2.025,41.49 40,41.49 40.015,41.491 40.167,41.482 40.332,41.454 40.493,41.408 40.647,41.344 40.794,41.263 40.93,41.166 41.055,41.055 41.166,40.93 41.263,40.794 41.344,40.647 41.408,40.493 41.454,40.332 41.482,40.167 41.491,40.015 41.49,40 41.49,2 41.491,1.985 41.482,1.833 41.454,1.668 41.408,1.507 41.344,1.353 41.263,1.206 41.166,1.07 41.055,0.945 40.93,0.834 40.794,0.737 40.647,0.656 40.493,0.592 40.332,0.546 40.167,0.518 40.015,0.509 40,0.51 32.129,0.51 32.129,6.158 32.12,6.207 32.092,6.249 32.05,6.277 32,6.287 0.51,6.287 0.51,39.975 0.509,39.99 0.518,40.145 0.546,40.313 0.593,40.476 0.658,40.633 0.741,40.782 0.839,40.921 0.952,41.048 1.079,41.161 1.218,41.259 1.367,41.342 1.524,41.407 1.687,41.454 1.855,41.482 2.01,41.491

## Other copper
L4-PWR (plane layer: these items are gaps in the copper):
  lines w0.254: -0.175,6.158 12.454,6.158 32,6.158 32,0.012 31.988,0 ; 12.454,9.706 12.454,8.051 26.369,8.051 31.214,12.896 31.214,14.594 33.701,17.082 33.701,30.899 29.779,34.821 25.168,34.821 25.15,34.803 24.754,34.407 24.754,32.201 ; 17.205,29.646 30.073,29.646 ; 17.51,27.761 17.51,14.8 17.51,9.835 ; 17.51,29.646 14.838,29.646 14.044,28.852 14.044,12.111 14.044,9.835 ; 17.53,27.761 23.792,27.761 ; 23.922,23.294 23.922,27.761 ; 14.044,9.835 17.51,9.835 ; 14.044,9.835 10.55,9.835 10.55,21.25 11.2,21.9 11.2,31.275 12.126,32.201 14.044,32.201 24.754,32.201 ; 17.51,9.835 23.035,9.835 23.922,10.722 23.922,17.228 23.922,24.2 29.412,24.2 30.117,24.904 30.117,31.518 29.434,32.201 24.754,32.201

## Silkscreen, mask and mechanical layers (free items; w line width, h text height)
Top Overlay:
  pour cut-out: 37.731,41.679 37.731,34.683 30.054,34.683 30.054,41.679

## Text inside footprints (layer, text, board x,y; h text height)
IC2: Mechanical 14 "17" at 16.299,12.6 h0.6 r270; Mechanical 14 "22" at 12.299,12.6 h0.6 r270; Mechanical 14 "21" at 13.099,12.6 h0.6 r270; Mechanical 14 "20" at 13.899,12.6 h0.6 r270; Mechanical 14 "19" at 14.699,12.6 h0.6 r270; Mechanical 14 "18" at 15.499,12.6 h0.6 r270; Mechanical 14 "1" at 29.099,12.6 h0.6 r270; Mechanical 14 "6" at 25.099,12.6 h0.6 r270; Mechanical 14 "7" at 24.299,12.6 h0.6 r270; Mechanical 14 "8" at 23.499,12.6 h0.6 r270; Mechanical 14 "9" at 22.699,12.6 h0.6 r270; Mechanical 14 "10" at 21.899,12.6 h0.6 r270; Mechanical 14 "11" at 21.099,12.6 h0.6 r270; Mechanical 14 "12" at 20.299,12.6 h0.6 r270; Mechanical 14 "13" at 19.499,12.6 h0.6 r270; Mechanical 14 "14" at 18.699,12.6 h0.6 r270; Mechanical 14 "15" at 17.899,12.6 h0.6 r270; Mechanical 14 "16" at 17.099,12.6 h0.6 r270; Mechanical 14 "5" at 25.899,12.6 h0.6 r270; Mechanical 14 "4" at 26.699,12.6 h0.6 r270; Mechanical 14 "3" at 27.499,12.6 h0.6 r270; Mechanical 14 "2" at 28.299,12.6 h0.6 r270; Mechanical 14 "A" at 31.399,14.5 h0.6 r180; Mechanical 14 "B" at 31.399,15.3 h0.6 r180; Mechanical 14 "C" at 31.399,16.1 h0.6 r180; Mechanical 14 "D" at 31.399,16.9 h0.6 r180; Mechanical 14 "E" at 31.399,17.7 h0.6 r180; Mechanical 14 "F" at 31.399,18.5 h0.6 r180; Mechanical 14 "G" at 31.399,19.3 h0.6 r180; Mechanical 14 "H" at 31.399,20.1 h0.6 r180; Mechanical 14 "J" at 31.399,20.9 h0.6 r180; Mechanical 14 "K" at 31.399,21.7 h0.6 r180; Mechanical 14 "L" at 31.399,22.5 h0.6 r180; Mechanical 14 "M" at 31.399,23.3 h0.6 r180; Mechanical 14 "N" at 31.399,24.1 h0.6 r180; Mechanical 14 "P" at 31.399,24.9 h0.6 r180; Mechanical 14 "R" at 31.399,25.7 h0.6 r180; Mechanical 14 "T" at 31.399,26.5 h0.6 r180; Mechanical 14 "U" at 31.399,27.3 h0.6 r180; Mechanical 14 "V" at 31.399,28.1 h0.6 r180; Mechanical 14 "W" at 31.399,28.9 h0.6 r180; Mechanical 14 "Y" at 31.399,29.7 h0.6 r180; Mechanical 14 "AA" at 31.899,30.5 h0.6 r180; Mechanical 14 "AB" at 31.899,31.3 h0.6 r180
IC5: Mechanical 14 "E" at 18.462,9.01 h0.4 r90; Mechanical 14 "D" at 17.192,9.01 h0.4 r90; Mechanical 14 "C" at 15.922,9.01 h0.4 r90; Mechanical 14 "B" at 14.652,9.01 h0.4 r90; Mechanical 14 "A" at 13.382,9.01 h0.4 r90; Mechanical 14 "1" at 12.231,7.867 h0.4 r90; Mechanical 14 "2" at 12.231,6.597 h0.4 r90; Mechanical 14 "3" at 12.231,5.327 h0.4 r90; Mechanical 14 "4" at 12.231,4.057 h0.4 r90; Mechanical 14 "5" at 12.231,2.787 h0.4 r90
IC8: Mechanical 14 "E" at 30.427,8.97 h0.4 r90; Mechanical 14 "D" at 29.157,8.97 h0.4 r90; Mechanical 14 "C" at 27.887,8.97 h0.4 r90; Mechanical 14 "B" at 26.617,8.97 h0.4 r90; Mechanical 14 "A" at 25.347,8.97 h0.4 r90; Mechanical 14 "1" at 24.196,7.827 h0.4 r90; Mechanical 14 "2" at 24.196,6.557 h0.4 r90; Mechanical 14 "3" at 24.196,5.287 h0.4 r90; Mechanical 14 "4" at 24.196,4.017 h0.4 r90; Mechanical 14 "5" at 24.196,2.747 h0.4 r90
J6: Notvisible "3.0" at 9.5,47.624 h1.2 r270; Notvisible "2.5" at 9.5,45.124 h1.2 r270
J7: Mechanical 14 "1" at 10.302,30.637 h1 r270; Mechanical 14 "2" at 2.702,30.52 h1 r270; Mechanical 14 "79" at 10.3,10.148 h1 r270; Mechanical 14 "80" at 2.7,10.184 h1 r270; Bottom Overlay "80" at 2.7,10.184 h1 r270; Bottom Overlay "79" at 10.3,10.148 h1 r270; Bottom Overlay "2" at 2.702,30.52 h1 r270; Bottom Overlay "1" at 10.302,30.637 h1 r270
J8: Mechanical 14 "1" at 38.302,30.637 h1 r270; Mechanical 14 "2" at 30.702,30.52 h1 r270; Mechanical 14 "79" at 38.3,10.148 h1 r270; Mechanical 14 "80" at 30.7,10.184 h1 r270; Bottom Overlay "80" at 30.7,10.184 h1 r270; Bottom Overlay "79" at 38.3,10.148 h1 r270; Bottom Overlay "2" at 30.702,30.52 h1 r270; Bottom Overlay "1" at 38.302,30.637 h1 r270